# Altium PCB Virtex.PcbDoc (part 2 of 2) (continued)
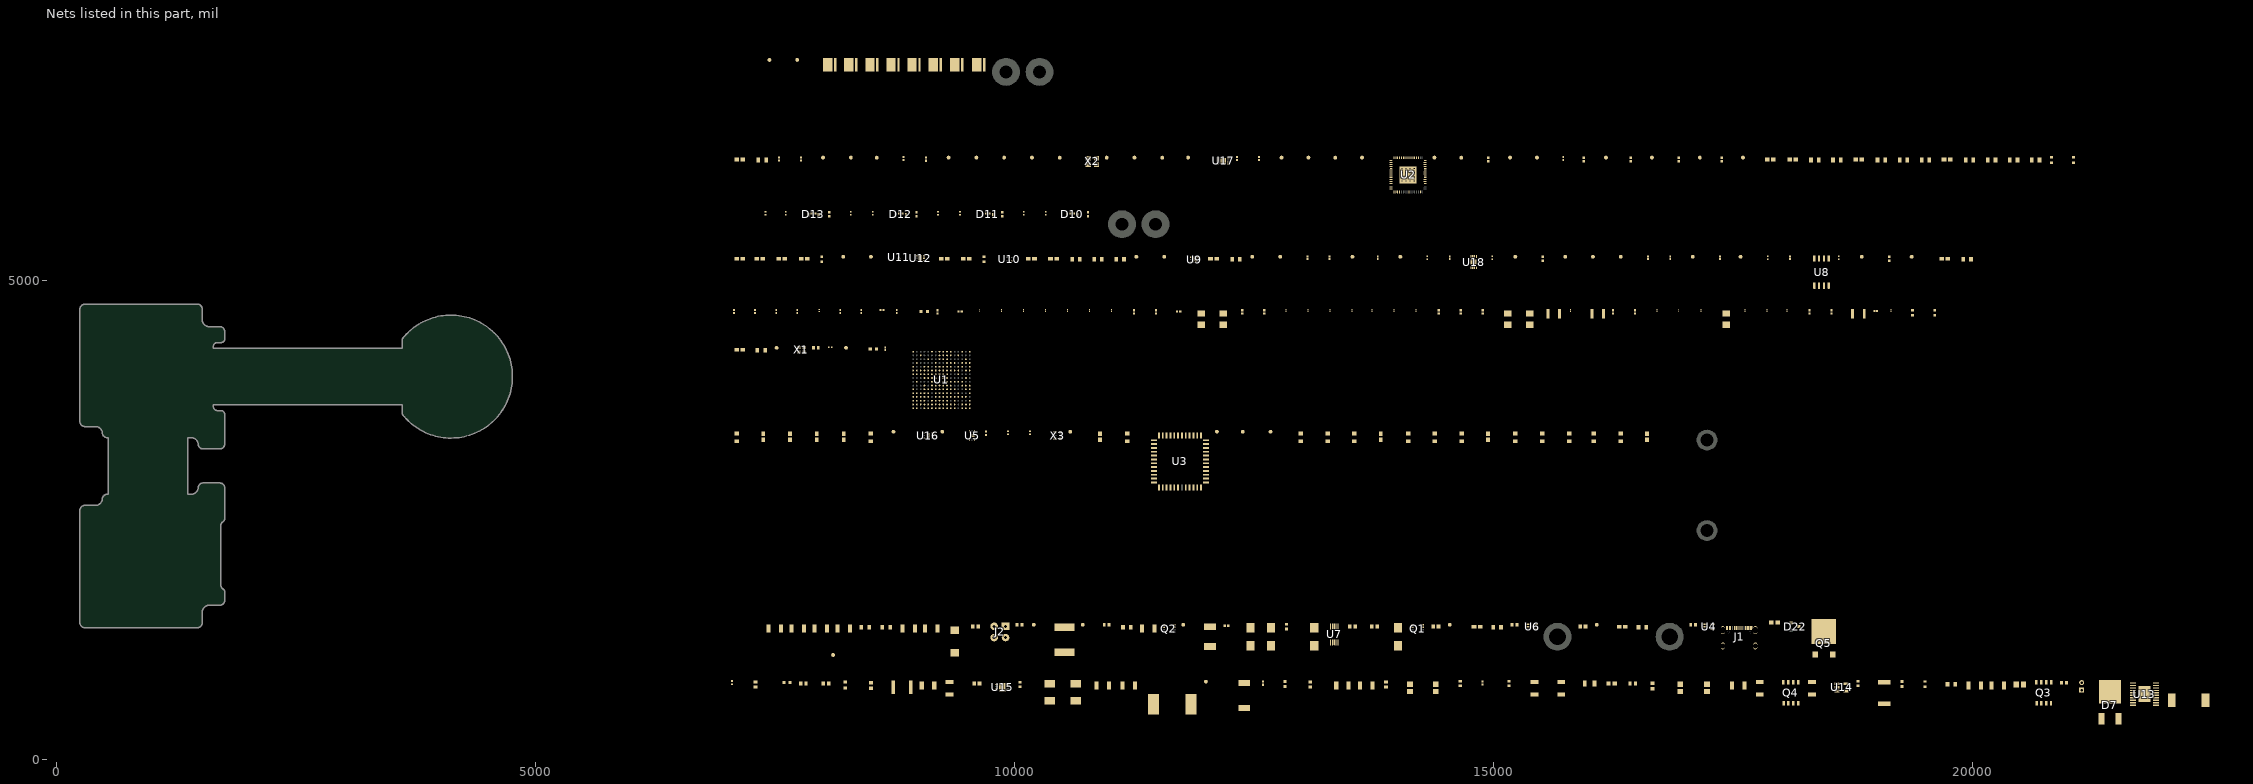
[diagram p2: the nets of this part, all layers, seen from the top]
## Part data (continued)
R11 R12 R13 R14 R15 R16 R27 R34: library part CMP-2002-01154-4, "Chip Resistor, 4.7 KOhm, +/- 1%, 0.1 W, -55 to 155 degC, 0402 (1005 Metric), RoHS, Tape and Reel", Case Code (Imperial)=0402, Case Code (Metric)=1005, Max Operating Temperature="155 degC", Min Operating Temperature="-55 degC", Package Quantity=1, PartNumber=ERJ-2RKF4701X, Power Rating="100 mW", Resistance="4.7 KOhm", Tolerance=1%, Voltage Rating="50 V", Case\/Package=0402, ComponentLink1Description="Manufacturer URL", ComponentLink1URL=http://www.panasonic.com/, ComponentLink2Description=Datasheet, ComponentLink2URL=http://industrial.panasonic.com/cdbs/www-data/pdf/RDA0000/AOA0000C86.pdf, DatasheetVersion=04/2015, Height="0.35 mm", Length="1 mm", Mount="Surface Mount", Mounting Technology="Surface Mount", PackageDescription="2-Pin Surface Mount Device, Body 1 x 0.5 mm", PackageReference=0402, Packaging="Cut Tape", Pins=2, Radiation Hardening=No, REACH SVHC=Yes, RoHSCompliant=true, Width="0.5 mm"
R17 R18 R19 R20: library part CMP-2002-07344-1, Manufacturer="Yageo / Phycomp", Part Number=RC0402FR-07100RL
R21 R23 R24 R26: library part CMP-2000-07588-1, "Chip Resistor, 10 KOhm, +/- 1%, 0.1 W, -55 to 155 degC, 0402 (1005 Metric), RoHS, Tape and Reel", Case Code (Imperial)=0402, Case Code (Metric)=1005, Manufacturer=Panasonic, Max Operating Temperature=155degC, Max Power Dissipation=100mW, Min Operating Temperature=-55degC, Package Description="2-Pin Surface Mount Device, Body 1 x 0.5 mm", Package Quantity=1, Package Reference=402, Resistance=10KOhm, Temperature Coefficient=100ppm\/degreesC, Tolerance=1%, Voltage Rating=50V, Case\/Package=0402, Composition=ThickFilm, Contact Plating=Tin, Datasheet URL=https://industrial.panasonic.com/cdbs/www-data/pdf/RDA0000/AOA0000C304.pdf, Datasheet Version=02/2017, Depth=0.5mm, Height=0.35mm, Lead Free=LeadFree, Length=1mm, Manufacturer URL=http://www.panasonic.com/, Military Standard=Not, Mount=SurfaceMount, Mounting Technology=SurfaceMount, Number of Pins=2, Number of Terminations=2, Packaging=TapeandReel, Power Rating=100mW, Radiation Hardening=No, REACH SVHC=NoSVHC, RoHSCompliant=True, Termination=SMD/SMT, Voltage Rating (DC)=50V, Width=0.02inch
R22: library part CMP-2002-00646-4, "Chip Resistor, 12 KOhm, +/- 1%, 0.1 W, -55 to 155 degC, 0402 (1005 Metric), RoHS, Tape and Reel", Case Code (Imperial)=0402, Case Code (Metric)=1005, Max Operating Temperature="155 degC", Min Operating Temperature="-55 degC", Package Quantity=10000, PartNumber=ERJ-2RKF1202X, Power Rating="100 mW", Resistance="12 KOhm", Tolerance=1%, Voltage Rating="50 V", Case\/Package=0402, ComponentLink1Description="Manufacturer URL", ComponentLink1URL=http://www.panasonic.com/, ComponentLink2Description=Datasheet, ComponentLink2URL=http://industrial.panasonic.com/cdbs/www-data/pdf/RDA0000/AOA0000C86.pdf, DatasheetVersion=04/2015, Height="0.35 mm", Length="1 mm", Mount="Surface Mount", Mounting Technology="Surface Mount", PackageDescription="2-Pin Surface Mount Device, Body 1 x 0.5 mm", PackageReference=0402, Packaging="Tape and Reel", Pins=2, REACH SVHC=Yes, RoHSCompliant=true, Width="0.5 mm"
R25: library part CMP-2002-07567-1, Manufacturer="Yageo / Phycomp", Part Number=RC0402FR-072K2L
R28 R30 R35 R37: library part CMP-2002-01128-1, Manufacturer=Panasonic, Part Number=ERJ2RKF1801X
R29 R31 R32 R33 R36 R38 R39 R40: library part CMP-2004-03565-1, Manufacturer="TE Connectivity / AMP", Part Number=CRG0201F100R
R41: library part CMP-2000-00476-1, Manufacturer=Panasonic, Part Number=ERJ3EKF3902V
R43: library part CMP-26527-002019-1, "Res Thick Film 2512 40mΩ 1% 2W ±200ppm/°C Molded SMD Plastic T/R", Case Code (Imperial)=2512, Case Code (Metric)=6432, Max Operating Temperature=155°C, Max Power Dissipation=2W, Min Operating Temperature=-55°C, Resistance=40mR, Resistor Type="Thick Film", Temperature Coefficient=200ppm/°C, Tolerance=1%, Case/Package=2512, Height=0.028inch, Lead Free="Lead Free", Length=0.25inch, Mount="Surface Mount", Number of Terminations=2, Packaging="Tape and Reel", RoHS Compliant=Yes, Series=CSRN, Width=0.124inch
R44: library part CMP-2000-00659-1, Manufacturer=Panasonic, Part Number=ERJ-3EKF8251V
R45: library part CMP-2000-00413-1, Manufacturer=Panasonic, Part Number=ERJ-3EKF3002V
R46: library part CMP-2000-00216-2, "Chip Resistor, 120 KOhm, +/- 1%, 0.1 W, -55 to 155 degC, 0603 (1608 Metric), RoHS, Tape and Reel", Case Code (Imperial)=0603, Case Code (Metric)=1608, Manufacturer=Panasonic, Max Operating Temperature=155degC, Max Power Dissipation=100mW, Min Operating Temperature=-55degC, Package Description="2-Pin Surface Mount Device, Body 1.6 x 0.85 mm", Package Quantity=1, Resistance=120KOhm, Temperature Coefficient=100ppm/degC, Tolerance=1%, Voltage Rating=75V, Case/Package=0603, Composition=ThickFilm, Contact Plating=Tin, Datasheet URL=https://industrial.panasonic.com/cdbs/www-data/pdf/RDA0000/AOA0000C283.pdf, Datasheet Version=42095.0, Depth=0.8mm, Height=0.022inch, Lead Free=LeadFree, Length=1.6mm, Manufacturer URL=http://www.panasonic.com/, Military Standard=Not, Mount=SurfaceMount, Number of Pins=2, Number of Terminations=2, Package Reference=0603, Package URL=http://www.st.com/st-web-ui/static/active/en/resource/technical/document/datasheet/CD00001320.pdf, Packaging=TapeandReel, Power Rating=100mW, Radiation Hardening=No, REACH SVHC=NoSVHC, RoHSCompliant=True, Termination=SMD/SMT, Voltage Rating (DC)=75V, Width=0.8mm
R47: library part CMP-26527-001750-1, "General Purpose Thick Film Chip Resistor, 1206, 0.1Ω, 1%, 100ppm/°C, 0.5W", Case Code (Imperial)=1206, Case Code (Metric)=3216, Max Operating Temperature=155°C, Max Power Dissipation=500mW, Min Operating Temperature=-55°C, Package Quantity=1, Resistance=100mR, Resistor Type="Thick Film", Temperature Coefficient=100ppm/°C, Tolerance=1%, Case/Package=1206, Construction=Rectangular, Contact Plating=Tin, Depth=1.55mm, Height=0.026inch, Lead Free="Lead Free", Length=0.12inch, Military Standard=Not, Mount="Surface Mount", Number of Terminations=2, Packaging="Tape and Reel", Radiation Hardening=No, RoHS Compliant=Yes, Series=CSR, Width=0.061inch
R48 R49: library part CMP-2000-00199-1, Manufacturer=Panasonic, Part Number=ERJ-3EKF1102V
R50: library part CMP-2000-00534-1, Manufacturer=Panasonic, Part Number=ERJ-3EKF4990V
R51: library part CMP-2002-07753-1, Manufacturer="Yageo / Phycomp", Part Number=RC0402FR-075K1L
R52: library part CMP-2000-00881-1, Manufacturer=Panasonic, Part Number=ERA-3AEB111V
R53: library part CMP-1012-00586-3, "Precision Thick Film Chip Resistor, 4.7 KOhm, +/- 1%, -55 to 155 degC, 0603 (1608 Metric), RoHS, Tape and Reel", Case Code (Imperial)=1206, Case Code (Metric)=3216, Case\Package=1205, Max Operating Temperature="125 degC", Min Operating Temperature="-55 degC", Package Quantity=1, Power Rating="250 mW", Resistance="220 Ohm", Tolerance=5%, Type (Resistor)="Thick Film", Voltage Rating="50 V", ComponentLink1Description="Manufacturer URL", ComponentLink1URL=http://www.panasonic.com/, ComponentLink2Description=Datasheet, ComponentLink2URL=http://industrial.panasonic.com/cdbs/www-data/pdf/RDA0000/AOA0000C86.pdf, DatasheetVersion=Apr-15, Elements=4, Height="0.024 inch", Length="0.126 inch", Mount="Surface Mount", PackageDescription="2-Pin Surface Mount Device, Body 1.6 x 0.85 mm", PackageReference=0603, Packaging="Tape and Reel", Pins=8, Radiation Hardening=No, REACH SVHC="No SVHC", RoHSCompliant=true, Width="0.063 inch"
R54: library part CMP-2000-03405-1, Manufacturer="Vishay Dale", Part Number=CRCW06034K30FKEA
R55: library part CMP-2000-00188-1, Manufacturer=Panasonic, Part Number=ERJ-3EKF1051V
R57: library part CMP-2002-00919-1, Manufacturer=Panasonic, Part Number=ERJ-2RKF4022X
R59: library part CMP-2002-01155-1, Manufacturer=Panasonic, Part Number=ERJ2RKF4702X
R60 R63 R66 R69: library part CMP-2002-01170-1, Manufacturer=Panasonic, Part Number=ERJ2RKF68R0X
R61 R62 R64 R65 R67 R68 R70 R71: library part CMP-1011-00302-2, Manufacturer=Panasonic, Part Number=ERJ-2RKF15R0X
R72: library part CMP-1012-00701-2, Manufacturer=Panasonic, Part Number=ERJ-3EKF4872V
R73: library part CMP-2000-00332-1, Manufacturer=Panasonic, Part Number=ERJ-3EKF2152V
R74: library part CMP-2000-00248-1, Manufacturer=Panasonic, Part Number=ERJ-3EKF1403V
R75: library part CMP-2000-00247-1, Manufacturer=Panasonic, Part Number=ERJ-3EKF1402V
R76: library part CMP-1010-00416-2, Manufacturer=Panasonic, Part Number=ERJ1GNF1001C
R77: library part CMP-2000-00523-2, "Chip Resistor, 47 KOhm, +/- 1%, 0.1 W, -55 to 155 degC, 0603 (1608 Metric), RoHS, Tape and Reel", Case Code (Imperial)=0603, Case Code (Metric)=1608, Colour=Red, Forward Current="20 mA", Forward Voltage="2.1 V", Max Operating Temperature="100 degC", Min Operating Temperature="-40 degC", Package Quantity=3000, Power Rating="90 mW", Case\Package=0603, ComponentLink1Description="Manufacturer URL", ComponentLink1URL=http://www.panasonic.com/, ComponentLink2Description=Datasheet, ComponentLink2URL=http://industrial.panasonic.com/cdbs/www-data/pdf/RDA0000/AOA0000C86.pdf, DatasheetVersion=Apr-15, Height="0.6 mm", Illumination Colour=Red, Length="1.6 mm", Lens Style=Clear, Luminous Intensity="63 mcd", Mount="Surface Mount", Nominal Vf="2.1 V", Nominal Wavelength="639 nm", PackageDescription="2-Pin Surface Mount Device, Body 1.6 x 0.85 mm", PackageReference=0603, Packaging="Tape and Reel", Pins=2, Radiation Hardening=No, REACH SVHC="No SVHC", RoHSCompliant=true, Viewing Angle="160 degrees", Width="0.8 mm"
TP1 TP2 TP3 TP4 TP5 TP6 TP7 TP8 TP9 TP10 TP11 TP12 TP13 TP14 TP15 TP16 TP17 TP18 TP19 TP20 TP21 TP22 TP23 TP24 TP25 TP26 TP27 TP28 TP29 TP30 TP31 TP32 TP33 TP34 TP35 TP36 TP37 TP38 TP39 TP40 TP41 TP42 TP43 TP44 TP45 TP46 TP47 TP48 TP49 TP50 TP51 TP52 TP53 TP54 TP55 TP56 TP57: library part TestPoint1mm, "Test Point 1mm Diameter"
U1: library part CMP-0383-00028-1, "Artix-7 FPGA, 170 User I/Os, 0 GTP, 256-Ball BGA, Speed Grade 1, Commercial Grade, Pb-Free", Manufacturer=Xilinx, Operating Temperature Range=Commercial, Available User I/O=170, CMTs=5, ComponentLink1Description="Manufacturer URL", ComponentLink1URL=http://www.xilinx.com/, ComponentLink2Description=Datasheet, ComponentLink2URL=http://www.xilinx.com/support/documentation/data_sheets/ds180_7Series_Overview.pdf, ComponentLink3Description=Pinout, ComponentLink3URL=http://www.xilinx.com/support/documentation/user_guides/ug475_7Series_Pkg_Pinout.pdf, ComponentLink4Description="Package Specification", ComponentLink4URL=http://www.xilinx.com/support/documentation/user_guides/ug475_7Series_Pkg_Pinout.pdf, DatasheetVersion="Rev. 1.15", GTP=0, Logic Cells=33280, Maximum Distributed RAM="400 Kb", Mounting Technology="Surface Mount", PackageDescription="256-Ball Wire-Bond Fine-Pitch Thin BGA, Body 17 x 17 mm, Pitch 1 mm", PackageReference=FTG-256, PackageVersion="Rev. 1.11", PartNumber=XC7A35T-1FTG256C, Speed Grades=1, Total Block RAM="1800 Kb"
U2: library part CMP-0078-00003-3, "Dual High Speed USB To Multipurpose UART/FIFO IC, 64-pin QFN, Tray", Manufacturer=FTDI, ComponentLink1Description="Manufacturer URL", ComponentLink1URL=http://www.ftdichip.com/, ComponentLink2Description=Datasheet, ComponentLink2URL=http://www.ftdichip.com/Support/Documents/DataSheets/ICs/DS_FT2232H.pdf, DatasheetVersion="ver 2.21, Jun-2012", PackageDescription="64-Pin Quad Flat No-Lead, 9 x 9 mm Body, 0.5 mm Pitch, 4.35 x 4.35 mm Exposed Pad", PackageReference=QFN64_2, PackageVersion=Jun-12, PartNumber=FT2232HQ-Tray, RevisionNote="DatasheetVersion updated to 2.21 Jun-2012"
U3: "IC IMAGE SENSOR 0.3MP 48LCC", Case/Package=LCC, Manufacturer="ON Semiconductor", Max Operating Temperature=85°C, Min Operating Temperature=-40°C, Operating Supply Voltage=3.4V, Category=Optoelectronics, ComponentLink1Description=http://www.onsemi.com/pub_link/Collateral/PB_NOIP1SN1300A-D.PDF?src-supplier=Digi-Key, ComponentLink1URL=http://www.onsemi.com/pub_link/Collateral/PB_NOIP1SN1300A-D.PDF?src-supplier=Digi-Key, ComponentLink2Description=http://www.onsemi.com/pub_link/Collateral/NOIP1SN1300A-D.PDF?src-supplier=Avnet+Asia, ComponentLink2URL=http://www.onsemi.com/pub_link/Collateral/NOIP1SN1300A-D.PDF?src-supplier=Avnet+Asia, Lead Free="Lead Free", Manufacturer Part Number=NOIP1FN0300A-QDI, Mount="Surface Mount", Number of Pins=48, Pricing 1="6=58.23675, 8=57.37875, 20=56.62800, 30=55.87725, 60=55.12650, 300=53.83950, 600=53.41050 (USD)", RoHS=Yes, RoHS Compliant=Yes, Supplier 1=Avnet, Supplier Part Number 1=NOIP1FN0300A-QDI
U5: "TEXAS INSTRUMENTS         LP5900SD-1.8/NOPB.             LDO VOLTAGE REGULATOR, 3.3V, 150mA, LLP-6, FULL REEL", Dropout Voltage=150mV, Manufacturer="Texas Instruments", Max Input Voltage=5.5V, Max Operating Temperature=125°C, Max Output Current=150mA, Min Input Voltage=2.5V, Min Operating Temperature=-40°C, Nominal Output Voltage=1.8V, Output Voltage Accuracy=2%, Package Quantity=1000, Quiescent Current=50uA, Supplier Part Number 1=LP5900SD-1.8/NOPBCT-ND, Accuracy=2%, Category="Voltage Regulators - Linear", ComponentLink1Description=https://datasheet.ciiva.com/6598/lp5900-6598182.pdf?src-supplier=Digi-Key, ComponentLink1URL=https://datasheet.ciiva.com/6598/lp5900-6598182.pdf?src-supplier=Digi-Key, ComponentLink2Description=https://datasheet.ciiva.com/6598/lp5900-6598185.pdf?src-supplier=Digi-Key, ComponentLink2URL=https://datasheet.ciiva.com/6598/lp5900-6598185.pdf?src-supplier=Digi-Key, ComponentLink3Description=https://datasheet.ciiva.com/6598/lp5900-6598187.pdf?src-supplier=Digi-Key, ComponentLink3URL=https://datasheet.ciiva.com/6598/lp5900-6598187.pdf?src-supplier=Digi-Key, ComponentLink4Description=https://datasheet.ciiva.com/26175/lp5900-26175289.pdf?src-supplier=Avnet+Europe, ComponentLink4URL=https://datasheet.ciiva.com/26175/lp5900-26175289.pdf?src-supplier=Avnet+Europe, ComponentLink5Description=https://datasheet.ciiva.com/14278/lp5900-14278125.pdf?src-supplier=Avnet, ComponentLink5URL=https://datasheet.ciiva.com/14278/lp5900-14278125.pdf?src-supplier=Avnet, ComponentLink6Description=https://datasheet.ciiva.com/28643/1772310-28643116.pdf?src-supplier=Element14, ComponentLink6URL=https://datasheet.ciiva.com/28643/1772310-28643116.pdf?src-supplier=Element14, ComponentLink7Description=https://datasheet.ciiva.com/22678/1772310-22678013.pdf?src-supplier=Element14, ComponentLink7URL=https://datasheet.ciiva.com/22678/1772310-22678013.pdf?src-supplier=Element14, Height=0.8mm, Lead Free="Lead Free", Length=2.2mm, Manufacturer Part Number=LP5900SD-1.8/NOPB, Mount="Surface Mount", Number of Outputs=1, Number of Pins=6, Output Current=150mA, Output Type=Fixed, Output Voltage=1.8V, Packaging="Tape and Reel", Polarity=Positive, Pricing 1="1=0.87000, 10=0.77000, 25=0.72280, 100=0.59000, 250=0.54800, 500=0.46640 (USD)", Radiation Hardening=No, REACH SVHC="No SVHC", RoHS=Yes, RoHS Compliant=Yes, Stock 1=9836, Supplier 1=Digi-Key, Width=2.5mm
U7: library part CMP-0479-00144-1, "Low Loss Dual PowerPath Controller for Large PFET, 3.6 to 36 V Vin, 10-pin SOP (MS-10), -40 to 85 degC, Pb-Free", Manufacturer="Linear Technology", ComponentLink1Description="Manufacturer URL", ComponentLink1URL=http://www.linear.com/, ComponentLink2Description=Datasheet, ComponentLink2URL=http://cds.linear.com/docs/en/datasheet/4416fa.pdf, ComponentLink3Description="Package Specification", ComponentLink3URL=http://cds.linear.com/docs/en/packaging/05081661_F_MS.pdf, DatasheetVersion="Rev. A", Ideal Diode="Dual, External, P-Channel", Mounting Technology="Surface Mount", PackageDescription="10-Pin Plastic MSOP, Body 3 x 3 mm, Pitch 0.5 mm", PackageReference=MS-10, PackageVersion="Rev. E, 06/2010", PartNumber=LTC4416EMS#PBF, RoHS=TRUE
U8: "IC FLASH 16M SPI 80MHZ 8SOP", Case/Package=SOIC, Frequency=80MHz, Manufacturer=Macronix, Max Operating Temperature=85°C, Min Operating Temperature=-40°C, Supplier Part Number 1=1092-1189-ND, Category=Memory, ComponentLink1Description=http://ckassoc.com/oldsite/pdf/Macronix_Product_Line_Card_July_2017_General%20_070617.pdf?src-supplier=Digi-Key, ComponentLink1URL=http://ckassoc.com/oldsite/pdf/Macronix_Product_Line_Card_July_2017_General%20_070617.pdf?src-supplier=Digi-Key, Interface=SPI,Serial, Lead Free="Lead Free", Manufacturer Part Number=MX25V1635FM2I, Memory Type=FLASH,NOR, Packaging=Rail/Tube, Pricing 1="1=0.71000, 10=0.64700, 25=0.63880, 50=0.63480, 100=0.56770, 250=0.56288, 500=0.55456, 1000=0.53472, 5000=0.48704 (USD)", RoHS=Yes, RoHS Compliant=Yes, Stock 1=14366, Supplier 1=Digi-Key
U9: "1-A low-IQ small-size low-dropout (LDO) regulator 6-WSON -40 to 125", Dropout Voltage=120mV, Manufacturer="Texas Instruments", Manufacturer Part Number=LP5910-1.0DRVR, Max Input Voltage=5.5V, Max Operating Temperature=125°C, Max Supply Current=40uA, Min Operating Temperature=-40°C, Min Output Voltage=1V, Output Current=300mA, Power Supply Rejection Ratio (PSRR)=52dB, Quiescent Current=12uA, Supplier Part Number 1=296-50004-1-ND, Category="Voltage Regulators - Linear", ComponentLink1Description=http://www.ti.com/lit/ds/symlink/lp5910.pdf?src-supplier=Digi-Key, ComponentLink1URL=http://www.ti.com/lit/ds/symlink/lp5910.pdf?src-supplier=Digi-Key, ComponentLink2Description=http://www.ti.com/general/docs/suppproductinfo.tsp?distId=10&amp;gotoUrl=http%3A%2F%2Fwww.ti.com%2Flit%2Fgpn%2Flp5910&src-supplier=Digi-Key, ComponentLink2URL=http://www.ti.com/general/docs/suppproductinfo.tsp?distId=10&amp;gotoUrl=http%3A%2F%2Fwww.ti.com%2Flit%2Fgpn%2Flp5910&src-supplier=Digi-Key, ComponentLink3Description=http://www.ti.com/lit/ds/symlink/tlv757p.pdf?src-supplier=Digi-Key, ComponentLink3URL=http://www.ti.com/lit/ds/symlink/tlv757p.pdf?src-supplier=Digi-Key, Lead Free="Lead Free", Mount="Surface Mount", Number of Regulators=1, Output Configuration=Positive, Output Type=Fixed, Output Voltage=1V, Packaging="Tape and Reel", Pricing 1="1=0.63000, 10=0.53700, 50=0.53700, 100=0.37200, 1000=0.24400, 10000=0.19500 (USD)", Pricing 2="1=0.61000, 10=0.53900, 25=0.50600, 100=0.41300, 250=0.38360, 500=0.32648, 1000=0.26950 (USD)", RoHS=Yes, RoHS Compliant=Yes, Stock 1=2189, Stock 2=1477, Supplier 1=Digi-Key
U10: library part CMP-04916-000026-1, "IC VREF SERIES 0.15% 8UQFN", Max Operating Temperature=125°C, Min Operating Temperature=-40°C, Min Output Voltage=1.25V, Operating Supply Current=8.5uA, Output Current=5mA, Temperature Coefficient=30ppm/°C, Tolerance=0.15%, Mount="Surface Mount", Number of Pins=8, Output Type=Fixed, Packaging="Tape and Reel", Reference Type=Series, RoHS Compliant=Yes
U11: "LDO Regulator Pos 1.2V to 4.5V 0.25A 4-Pin X2SON EP T/R", Manufacturer="Texas Instruments", Supplier Part Number 1=296-LP590725QDQNRQ1CT-ND, Category="Integrated Circuits (ICs)", Manufacturer Part Number=LP590725QDQNRQ1, Pricing 1="1=0.64000, 10=0.56000, 25=0.52560, 100=0.42910, 250=0.39856, 500=0.33920, 1000=0.28000 (USD)", RoHS=Yes, Stock 1=2810, Supplier 1=Digi-Key
U12: "IC REG LINEAR 1.8V 300MA 6SON", Dropout Voltage=145mV, Manufacturer="Texas Instruments", Max Operating Temperature=125°C, Min Operating Temperature=-40°C, Output Current=300mA, Output Voltage=1.8V, Quiescent Current=12uA, Supplier Part Number 1=296-47212-1-ND, Category="Voltage Regulators - Linear", ComponentLink1Description=http://www.ti.com/general/docs/suppproductinfo.tsp?distId=10&amp;gotoUrl=http%3A%2F%2Fwww.ti.com%2Flit%2Fgpn%2Flp5910&src-supplier=Digi-Key, ComponentLink1URL=http://www.ti.com/general/docs/suppproductinfo.tsp?distId=10&amp;gotoUrl=http%3A%2F%2Fwww.ti.com%2Flit%2Fgpn%2Flp5910&src-supplier=Digi-Key, ComponentLink2Description=http://www.ti.com/lit/ds/symlink/lp5910.pdf?src-supplier=Digi-Key, ComponentLink2URL=http://www.ti.com/lit/ds/symlink/lp5910.pdf?src-supplier=Digi-Key, Lead Free="Lead Free", Manufacturer Part Number=LP5910-1.8DRVR, Mount="Surface Mount", Number of Regulators=1, Packaging="Tape and Reel", Pricing 1="1=0.63000, 10=0.53700, 25=0.50080, 100=0.40070, 250=0.37208, 500=0.31482, 1000=0.24327 (USD)", RoHS=Yes, RoHS Compliant=Yes, Stock 1=556, Supplier 1=Digi-Key
U13: "IC LED DRVR HIGH BRIGHT 20-TSSOP", Case/Package=TSSOP, Frequency=1MHz, Manufacturer=Maxim, Manufacturer Part Number=MAX16834AUP+, Max Input Voltage=28V, Max Operating Temperature=125°C, Max Power Dissipation=2.122W, Max Supply Current=6mA, Min Input Voltage=4.75V, Min Operating Temperature=-40°C, Output Current=3A, Package Quantity=74, Supplier Part Number 1=MAX16834AUP+-ND, Category="LED Drivers", ComponentLink1Description=https://datasheet.ciiva.com/1946/max16834-1946936.pdf?src-supplier=Digi-Key, ComponentLink1URL=https://datasheet.ciiva.com/1946/max16834-1946936.pdf?src-supplier=Digi-Key, ComponentLink2Description=https://datasheet.ciiva.com/17300/max16834-17300234.pdf?src-supplier=Avnet+Europe, ComponentLink2URL=https://datasheet.ciiva.com/17300/max16834-17300234.pdf?src-supplier=Avnet+Europe, ComponentLink3Description=https://datasheet.ciiva.com/12277/max16834-97839-12277202.pdf?src-supplier=Mouser, ComponentLink3URL=https://datasheet.ciiva.com/12277/max16834-97839-12277202.pdf?src-supplier=Mouser, ComponentLink4Description=https://datasheet.ciiva.com/3163/max16834-3163925.pdf?src-supplier=Avnet, ComponentLink4URL=https://datasheet.ciiva.com/3163/max16834-3163925.pdf?src-supplier=Avnet, ComponentLink5Description=https://datasheet.ciiva.com/1948/max16834-1948686.pdf?src-supplier=Digi-Key, ComponentLink5URL=https://datasheet.ciiva.com/1948/max16834-1948686.pdf?src-supplier=Digi-Key, Contact Plating=Tin,Matte, Mount="Surface Mount", Number of Outputs=1, Number of Pins=20, Number of Segments=100, Operating Supply Voltage=28V, Packaging=Rail/Tube, Power Dissipation=2.122W, Pricing 1="1=6.28000, 10=5.67600, 25=5.41200, 100=4.69920, 250=4.48800, 500=4.09200, 1000=3.96000 (USD)", Pricing 2="2500=4.44310, 5000=4.38030, 10000=4.31750, 15000=4.25470, 20000=4.19190, 25000=4.12910, 250000=4.06630 (USD)", Radiation Hardening=No, REACH SVHC=Unknown, RoHS=Yes, RoHS Compliant=Yes, Series=-, Stock 1=756, Stock 2=60000, Supplier 1=Digi-Key, Supplier 2=Avnet, Supplier Part Number 2=MAX16834AUP/V+T, Switching Frequency=1MHz, Topology=SEPIC
U14: library part CMP-0062-02036-2, "Micropower 150 mA Low-Noise Ultra Low-Dropout Regulator, 5-pin SOT-23, Pb-Free", Manufacturer="National Semiconductor", PackageTopMarking=L0SA*XTT, PowerWise=N, ComponentLink1Description="LP2985 Datasheet", ComponentLink1URL=http://www.national.com/ds/LP/LP2985.pdf, ComponentLink2Description="LP2985 Web Page", ComponentLink2URL=http://www.national.com/pf/LP/LP2985.html, ComponentLink3Description="MF05A Package Page", ComponentLink3URL=http://www.national.com/packaging/folders/mf05a.html, CompType="LDO IC", DatasheetVersion=Jul-2007, PackageDescription="Molded SOT-23, .115 x .063 x .040 in Body, 5 Lead, .0375 in Pitch", PackageReference=MF05A, PackageVersion="revD, Aug-2008", PinCount=5, RevisionNote="Component URLs added", RoHS=Y
U15: library part CMP-0240-00148-1, "Up to 3 A step down switching regulator, 8-Pin VFQFPN, Tape and Reel", ComponentLink1Description="Manufacturer URL", ComponentLink1URL=http://www.st.com, ComponentLink2Description=Datasheet, ComponentLink2URL=http://www.st.com/internet/com/TECHNICAL_RESOURCES/TECHNICAL_LITERATURE/DATASHEET/CD00208518.pdf, DatasheetVersion=Jun-2009, PackageDescription="8-Pin VFQFPN, 3 x 3 x 1.08 mm Body, 0.5 mm Pitch, Exposed Pad", PackageReference=VFQFPN8, PackageVersion=2009
U16: library part CMP-0062-01367-3, "Ultra Low Noise, 150mA Linear Regulator for RF/Analog Circuits Requires No Bypass Capacitor, 6-pin LLP, Pb-Free", Manufacturer="Texas Instruments", PackageTopMarking=XTT*L16, PowerWise=N, ComponentLink1Description="Datasheet URL", ComponentLink1URL=http://www.ti.com/general/docs/lit/getliterature.tsp?genericPartNumber=LP5900&fileType=pdf, CompType="LDO IC", PackageDescription="LLP, Plastic, Dual, 2.2 x 2.5 x 0.8mm Body, 6 Lead, 0.65mm Pitch, No Pullback", PackageReference=NGF0006A, PinCount=6, RoHS=Y
U17: library part CMP-06313-000080-1, "IC EEPROM 1KBIT SPI 8MINI MAP", Frequency=2MHz, Max Operating Temperature=85°C, Min Operating Temperature=-40°C, Memory Size=1Kb, Memory Type=Non-Volatile, Mount="Surface Mount", Packaging="Tape and Reel", RoHS Compliant=Yes
U18: "EEPROM Memory IC 1Kb (128 x 8, 64 x 16) SPI 8-UDFN (2x3)", Manufacturer=Microchip, Manufacturer Part Number=AT25040B-MAHL-E, Supplier Part Number 1=AT93C46DY6-YH-ECT-ND, RoHS=Yes, Supplier 1=Digi-Key
X1: library part ASTMHTA-100.000MHZ-AJ-E-T, "MEMS OSC XO 100.0000MHZ LVCMOS", Case/Package=SMD/SMT, Frequency=100MHz, Frequency Stability=10ppm, Load Capacitance=15pF, Manufacturer=Abracon, Max Operating Temperature=105°C, Max Supply Current=16mA, Min Operating Temperature=-40°C, Operating Supply Voltage=3.6V, Supplier Part Number 1=535-15297-1-ND, Category=Oscillators, ComponentLink1Description=https://datasheet.ciiva.com/1389/1750124-1389392.pdf?src-supplier=Newark, ComponentLink1URL=https://datasheet.ciiva.com/1389/1750124-1389392.pdf?src-supplier=Newark, ComponentLink2Description=https://datasheet.ciiva.com/866/asdmb-866812.pdf?src-supplier=Digi-Key, ComponentLink2URL=https://datasheet.ciiva.com/866/asdmb-866812.pdf?src-supplier=Digi-Key, ComponentLink3Description=https://datasheet.ciiva.com/866/asdmb-866813.pdf?src-supplier=Digi-Key, ComponentLink3URL=https://datasheet.ciiva.com/866/asdmb-866813.pdf?src-supplier=Digi-Key, ComponentLink4Description=https://datasheet.ciiva.com/866/asdmb-866814.pdf?src-supplier=Digi-Key, ComponentLink4URL=https://datasheet.ciiva.com/866/asdmb-866814.pdf?src-supplier=Digi-Key, ComponentLink5Description=https://datasheet.ciiva.com/3177/asdmb-3177639.pdf?src-supplier=Avnet, ComponentLink5URL=https://datasheet.ciiva.com/3177/asdmb-3177639.pdf?src-supplier=Avnet, Height=0.035inch, Lead Free="Lead Free", Length=0.098inch, Manufacturer Part Number=ASTMHTA-100.000MHZ-AJ-E-T, Mount="Surface Mount", Number of Pins=4, Packaging="Tape and Reel", Pricing 1="1=3.08000, 10=2.93800, 50=2.79080, 100=2.49700, 500=2.35008 (USD)", Radiation Hardening=No, RoHS=Yes, RoHS Compliant=Yes, Series="Pure Silicon™ ASDMB", Stock 1=2824, Supplier 1=Digi-Key, Termination=SMD/SMT, Width=0.079inch
X2: "ABRACON - ABM8G-12.000MHZ-4Y-T3 - CRYSTAL, 12MHZ, 10PF, 3.2 X 2.5MM", Case/Package=CSMD, ESR (Equivalent Series Resistance)=120R, Frequency=12MHz, Frequency Stability=30ppm, Load Capacitance=10pF, Manufacturer=Abracon, Max Operating Temperature=60°C, Min Operating Temperature=-10°C, Operating Frequency="12 MHz", Supplier Part Number 1=535-10901-1-ND, Category=Crystals, ComponentLink1Description=https://datasheet.ciiva.com/15116/getdatasheetpartid-719872-15116768.pdf?src-supplier=Verical, ComponentLink1URL=https://datasheet.ciiva.com/15116/getdatasheetpartid-719872-15116768.pdf?src-supplier=Verical, ComponentLink2Description=https://datasheet.ciiva.com/857/abm8g-857959.pdf?src-supplier=Digi-Key, ComponentLink2URL=https://datasheet.ciiva.com/857/abm8g-857959.pdf?src-supplier=Digi-Key, ComponentLink3Description=https://datasheet.ciiva.com/857/abm8g-857960.pdf?src-supplier=Digi-Key, ComponentLink3URL=https://datasheet.ciiva.com/857/abm8g-857960.pdf?src-supplier=Digi-Key, ComponentLink4Description=https://datasheet.ciiva.com/857/abm8g-857961.pdf?src-supplier=Digi-Key, ComponentLink4URL=https://datasheet.ciiva.com/857/abm8g-857961.pdf?src-supplier=Digi-Key, ComponentLink5Description=https://datasheet.ciiva.com/16216/abm8g-16216655.pdf?src-supplier=Future+Electronics, ComponentLink5URL=https://datasheet.ciiva.com/16216/abm8g-16216655.pdf?src-supplier=Future+Electronics, Depth=2.5mm, Frequency Tolerance=30ppm, Height=0.039inch, Lead Free="Lead Free", Length=3.2mm, Manufacturer Part Number=ABM8G-12.000MHZ-4Y-T3, Mount="Surface Mount", Number of Pins=4, Packaging="Tape and Reel", Pricing 1="1=0.67000, 10=0.59600, 50=0.55720, 100=0.49250, 500=0.46656, 1000=0.38880 (USD)", REACH SVHC="No SVHC", RoHS=Yes, Series=ABM8G, Series Resistance=120R, Stock 1=11481, Supplier 1=Digi-Key, Width=0.098inch
X3: "Mems Oscillator, Low Power, Lvds, -40C-85C, 10Ppm, 2.5X2.0Mm6 Vdfn 2.0X2.5Mm Tube", Manufacturer=Microchip, Supplier Part Number 1=DSC1103DI5-360.0000-ND, Category=Oscillators, Manufacturer Part Number=DSC1103DI5-360.0000, Pricing 1="1=5.51000, 25=4.59000, 100=4.51500 (USD)", RoHS=Yes, RoHS Compliant=Yes, Stock 1=706, Supplier 1=Digi-Key

## Via types
v1: diameter 19.68, hole 7.87, Top Layer to Bottom Layer, 19 vias

## Nets (pads, with @x,y where several pads share a name; then routed paths per layer and width w, separated by ;. In a path a pad name is that pad's centre, name@x,y a point inside that pad or via, vN(x,y) a via of type N, cw(c..) or ccw(c..) an arc to the next point about the centre after c; other vN are vias at no path point)
+1: C25.2 C26.1 C27.1 C28.1 C29.1 C30.1 C31.2 C32.1 C85.1 TP44.1 U1.E10 U1.F7 U1.F9 U1.F11 U1.G6 U1.H9 U1.J6 U1.K9 U1.L8 U9.1
+1.8: C19.2 C20.1 C21.1 C22.1 C23.1 C24.1 C63.1 C64.1 C65.1 C66.1 C94.1 FB3.2 TP47.1 U1.G10 U1.J10 U1.K11 U1.L10 U2.12 U2.37 U2.64 U12.1
+2.5: C49.2 C56.1 C57.1 C58.1 C59.1 C60.1 C61.1 C92.1 TP46.1 U1.A6 U1.B3 U1.D7 U1.E4 U1.F1 U1.J2 U11.1
+3.3: 2.2 C1.1 C2.1 C3.1 C4.1 C16.1 C17.1 C33.1 C34.2 C35.2 C36.1 C37.1 C38.1 C39.1 C40.1 C41.1 C42.1 C43.1 C44.1 C45.1 C46.1 C47.1 C48.2 C50.1 C51.1 C52.1 C53.1 C54.1 C55.1 C67.1 C68.1 C69.1 C70.1 C71.1 C76.1 C77.1 C80.1 C81.1 C82.1 C83.1 C84.1 C86.1 C87.1 C88.1 C89.1 C91.1 C93.1 C115.1 C116.1 C117.1 C118.1 C119.2 C129.1 C130.1 C131.1 C132.1 C133.1 C134.1 C139.1 C140.2 C142.1 C146.2 D9.2 D10.3 D11.3 D12.3 D13.3 FB4.1 FB5.1 FB6.1 R1.2 R3.2 R5.2 R9.1 R11.1 R12.1 R13.2 R14.2 R21.2 R23.2 R24.2 R26.1 R27.2 R28.2 R30.2 R34.2 R35.2 R37.2 R51.1 R53.2 R57.1 R76.2 TP48.1 U1.A16 U1.B13 U1.C10 U1.E14 U1.H15 U1.J12 U1.L6 U1.L16 U1.M3 U1.M13 U1.N10 U1.P7 U1.R4 U1.R14 U1.T1 U1.T11 U2.20 U2.31 U2.42 U2.56 U3.1 U3.19 U3.29 U3.36 U4.1 U5.4 U5.6 U6.1 U8.8 U9.4 U9.6 U11.3 U11.4 U12.4 U12.6 U17.6 U17.8 U18.8 X1.1 X3.6
+3.6: C98.1 C141.1 C144.1 U14.5 U16.4 U16.6
+12: C7.2 C10.1 C11.1 C12.1 C13.1 C104.2 C108.2 C110.2 C111.1 C112.1 F2.2 L1.1 Q1.7 Q1.8 R41.2 R47.2 R48.1 R72.1 TP5.1 U7.9 U13.1 U13.17
AGND: C?.2 FB2.2 U1.G7 U1.H8 U1.J7
CABLE_SCL: J2.1 U6.5
CABLE_SDA: J2.2 U4.5
CAM_18: C125.1 C126.1 C127.1 C128.1 C143.1 TP53.1 U3.6 U3.22 U3.26 U5.1
CAM_CLK_N: U1.E5 U3.7
CAM_CLK_P: U1.F5 U3.8
CAM_CLKIN_N: R58.2 U3.23 X3.5
CAM_CLKIN_P: R58.1 U3.24 X3.4
CAM_DOUT0_N: U1.H4 U3.9
CAM_DOUT0_P: U1.H5 U3.10
CAM_DOUT1_N: U1.G1 U3.11
CAM_DOUT1_P: U1.G2 U3.12
CAM_DOUT2_N: U1.G4 U3.13
CAM_DOUT2_P: U1.G5 U3.14
CAM_DOUT3_N: U1.E1 U3.15
CAM_DOUT3_P: U1.F2 U3.16
CAM_MON0: U1.D16 U3.44
CAM_MON1: U1.F12 U3.45
CAM_PIX: C135.1 C136.1 C137.1 C138.1 C145.1 TP54.1 U3.31 U3.33 U3.38 U3.40 U16.1
CAM_RESET: U1.D15 U3.46
CAM_SPI_CLK: TP51.1 U1.E13 U3.4
CAM_SPI_CS: TP52.1 U1.E11 U3.47
CAM_SPI_MISO: TP50.1 U1.D14 U3.3
CAM_SPI_MOSI: TP49.1 U1.D11 U3.2
CAM_SYNC_N: U1.F3 U3.17
CAM_SYNC_P: U1.F4 U3.18
CAM_TRIG0: U1.E16 U3.41
CAM_TRIG1: U1.F13 U3.42
CAM_TRIG2: U1.F15 U3.43
CONF_CLK: TP41.1 U1.N13 U18.6
CONF_CS: R34.1 TP38.1 U1.P16 U18.1
CONF_HOLD: R36.2 TP39.1 U1.T14
CONF_MISO: R38.1 TP40.1 U1.R15
CONF_MOSI: R40.2 TP43.1 U1.T15
CONF_WP: R39.1 TP42.1 U1.R16
DONE: D6.2 R9.2 U1.H10
FLASH_CLK: TP35.1 U1.E8 U8.6
FLASH_CS: R27.1 TP32.1 U1.L12 U8.1
FLASH_SIO0: R33.2 TP37.1 U1.J13
FLASH_SIO1: R31.1 TP34.1 U1.J14
FLASH_SIO2: R32.1 TP36.1 U1.K15
FLASH_SIO3: R29.2 TP33.1 U1.K16
FPGA_CLK: TP7.1 U1.N14 X1.3
GND: C1.2 C2.2 C3.2 C4.2 C5.2 C6.2 C7.1 C8.2 C9.2 C10.2 C11.2 C12.2 C13.2 C14.2 C15.2 C16.2 C17.2 C18.1 C19.1 C20.2 C21.2 C22.2 C23.2 C24.2 C25.1 C26.2 C27.2 C28.2 C29.2 C30.2 C31.1 C32.2 C33.2 C34.1 C35.1 C36.2 C37.2 C38.2 C39.2 C40.2 C41.2 C42.2 C43.2 C44.2 C45.2 C46.2 C47.2 C48.1 C49.1 C50.2 C51.2 C52.2 C53.2 C54.2 C55.2 C56.2 C57.2 C58.2 C59.2 C60.2 C61.2 C63.2 C64.2 C65.2 C66.2 C67.2 C68.2 C69.2 C70.2 C71.2 C72.2 C73.2 C74.2 C75.2 C76.2 C77.2 C78.2 C79.2 C80.2 C81.2 C82.2 C83.2 C84.2 C85.2 C86.2 C87.2 C88.2 C89.2 C91.2 C92.2 C93.2 C94.2 C95.1 C96.2 C97.2 C98.2 C99.1 C100.1 C101.2 C102.2 C103.1 C105.2 C106.2 C107.2 C109.2 C111.2 C112.2 C113.1 C114.2 C115.2 C116.2 C117.2 C118.2 C120.2 C121.2 C122.2 C125.2 C126.2 C127.2 C128.2 C129.2 C130.2 C131.2 C132.2 C133.2 C134.2 C135.2 C136.2 C137.2 C138.2 C139.2 C140.1 C141.2 C142.2 C143.2 C144.2 C145.2 C146.1 D1.2 D2.2 D3.2 D4.2 D8.2 FB2.1 FB7.1 J1.A1-B12 J1.B1-A12 J2.4 R2.2 R4.2 R7.2 R8.2 R10.2 R15.2 R16.2 R22.1 R42.1 R43.2 R44.1 R49.2 R55.1 R56.2 R59.1 R73.1 R75.1 R77.1 U1.A1 U1.A11 U1.B8 U1.C5 U1.C15 U1.D2 U1.D12 U1.E9 U1.F6 U1.F8 U1.F10 U1.F16 U1.G3 U1.G9 U1.G13 U1.H6 U1.J9 U1.J11 U1.K4 U1.K6 U1.K7 U1.K8 U1.K14 U1.L1 U1.L11 U1.M8 U1.N5 U1.N15 U1.P2 U1.P12 U1.R9 U1.T6 U1.T16 U2.1 U2.5 U2.10 U2.11 U2.13 U2.15 U2.25 U2.35 U2.47 U2.51 U2.65 U3.5 U3.20 U3.21 U3.27 U3.30 U3.32 U3.34 U3.35 U3.37 U3.39 U3.48 U4.2 U5.3 U5.7 U6.2 U7.3 U7.4 U8.4 U9.3 U9.7 U11.2 U11.5 U12.5 U12.7 U13.4 U13.14 U13.21 U14.2 U15.3 U15.7 U15.9 U16.3 U16.7 U17.5 U17.9 U18.4 U18.9 X1.2 X1.4 X2.2 X2.4 X3.3
  other v1: 9870,734.57 9870,777.87 9095,3385 14040.04,6040.04 14083.35,6040.04 14126.65,6040.04 14169.96,6040.04 14040.04,6083.35 14083.35,6083.35 14126.65,6083.35 14169.96,6083.35 14040.04,6126.65 14083.35,6126.65 14126.65,6126.65 14169.96,6126.65 14040.04,6169.96 14083.35,6169.96 14126.65,6169.96 14169.96,6169.96
LED+: C101.1 C102.1 C106.1 C107.1 D7.4 D14.A J3.1 R46.2 TP55.1 U13.18
LED-: D21.C J3.2 Q4.5 Q4.6 Q4.7 Q4.8 TP56.1
LED_USER: D5.2 U1.M16
MNT: J1.1 J1.2 J1.3 J1.4
MODE_0: R14.1 U1.M9
MODE_1: R15.1 U1.M10
MODE_2: R16.1 U1.M11
NetC5_1: C5.1 F1.2 FB1.1
NetC18_2: C18.2 C?.1 FB3.1 U1.G8
NetC72_1: C72.1 C75.1 FB5.2 U2.4
NetC73_1: C73.1 C74.1 FB4.2 U2.9
NetC95_2: C95.2 R41.1 R42.2 U13.11
NetC99_2: C99.2 U13.8
NetC100_2: C100.2 U13.16
NetC103_2: C103.2 R45.2 U13.6
NetC104_1: C104.1 Q4.1 Q4.2 Q4.3 R47.1 U13.2
NetC105_1: C105.1 U14.4
NetC108_1: C108.1 R46.1 R48.2 U13.3
NetC109_1: C109.1 R45.1 R49.1 U13.7
NetC110_1: C110.1 U13.19
NetC113_2: C113.2 R50.1 U13.5
NetC114_1: C114.1 R50.2
NetC119_1: C119.1 R52.2
NetC123_1: C123.1 C124.2 U15.4
NetC123_2: C123.2 R52.1 R53.1 R54.2 R55.2 U15.5
NetC124_1: C124.1 R54.1
NetD1_1: D1.1 J2.3 Q5.4
NetD5_1: D5.1 R8.1
NetD6_1: D6.1 R10.1
NetD7_1: D7.1 D7.3 L1.2 Q3.5 Q3.6 Q3.7 Q3.8
NetD8_1: 2.1 D8.1 U15.1
NetD9_1: D9.1 R56.1
NetD10_1: D10.1 R62.1
NetD10_2: D10.2 R61.1
NetD10_4: D10.4 R60.1
NetD11_1: D11.1 R65.1
NetD11_2: D11.2 R64.1
NetD11_4: D11.4 R63.1
NetD12_1: D12.1 R68.1
NetD12_2: D12.2 R67.1
NetD12_4: D12.4 R66.1
NetD13_1: D13.1 R71.1
NetD13_2: D13.2 R70.1
NetD13_4: D13.4 R69.1
NetD14_C: D14.C D15.A
NetD15_C: D15.C D16.A
NetD16_C: D16.C D17.A
NetD17_C: D17.C D18.A
NetD18_C: D18.C D19.A
NetD19_C: D19.C D20.A
NetD20_C: D20.C D21.A
NetD22_1: D22.1 Q5.1 R77.2
NetD22_3: D22.3 F2.1 Q5.3
NetFB6_2: FB6.2 U10.5
NetJ1_A5: J1.A5 R2.1
NetJ1_B5: J1.B5 R4.1
NetQ3_1: Q3.1 Q3.2 Q3.3 R43.1 U13.13
NetQ3_4: Q3.4 U13.15
NetQ4_4: Q4.4 U13.20
NetR1_1: R1.1 TP1.1 U1.N12 U4.4
NetR3_1: R3.1 TP2.1 U1.N11 U6.4
NetR5_1: R5.1 TP4.1
NetR7_1: R7.1 TP6.1 U1.C8 U1.C9 U13.12
NetR11_2: R11.2 U1.E7
NetR12_2: R12.2 U1.L9
NetR13_1: R13.1 U1.K10
NetR17_1: R17.1 U2.16
NetR18_1: R18.1 U2.17
NetR19_1: R19.1 U2.18
NetR20_1: R20.1 U2.19
NetR21_1: R21.1 U2.14
NetR22_2: R22.2 U2.6
NetR23_1: R23.1 U2.63 U17.1
NetR24_1: R24.1 U2.62 U17.2
NetR25_1: R25.1 U2.61 U17.3
NetR25_2: R25.2 R26.2 U17.4
NetR28_1: R28.1 R29.1 U8.7
NetR30_1: R30.1 R32.2 U8.3
NetR31_2: R31.2 U8.2
NetR33_1: R33.1 U8.5
NetR35_1: R35.1 R36.1 U18.7
NetR37_1: R37.1 R39.2 U18.3
NetR38_2: R38.2 U18.2
NetR40_1: R40.1 U18.5
NetR44_2: R44.2 U13.10
NetR51_2: R51.2 U1.D10 U13.9
NetR57_2: R57.2 X3.1
NetR59_2: R59.2 U3.28
NetR60_2: R60.2 U1.M5 U1.P3
NetR61_2: R61.2 U1.P1 U1.P4
NetR62_2: R62.2 U1.N1 U1.N2
NetR63_2: R63.2 U1.A8 U1.A9
NetR64_2: R64.2 U1.A10 U1.B9
NetR65_2: R65.2 U1.B10 U1.B11
NetR66_2: R66.2 U1.T2 U1.T4
NetR67_2: R67.2 U1.R1 U1.R3
NetR68_2: R68.2 U1.N4 U1.R2
NetR69_2: R69.2 U1.M1 U1.N3
NetR70_2: R70.2 U1.M2 U1.M4
NetR71_2: R71.2 U1.L4 U1.L5
NetR72_2: R72.2 R73.2 R74.1 U7.2
NetR74_2: R74.2 U7.1
NetU1_A14: U1.A14 U7.5
PUDC_B: R76.1 U1.L15
PWR_G1: Q1.2 U7.10
PWR_G2: Q2.2 U7.6
USB: C6.1 C8.1 C9.1 D2.1 FB1.2 Q2.7 Q2.8 R6.2 TP3.1 U7.7
USB_BC0: TP20.1 U1.T5 U2.48
USB_BC1: TP21.1 U1.P9 U2.52
USB_BC2: TP23.1 U1.N9 U2.53
USB_BC3: TP24.1 U1.T10 U2.54
USB_BC4: TP25.1 U1.R10 U2.55
USB_BC5: TP26.1 U1.P10 U2.57
USB_BC6: TP27.1 U1.R11 U2.58
USB_BD0: TP12.1 U1.P8 U2.38
USB_BD1: TP13.1 U1.R8 U2.39
USB_BD2: TP14.1 U1.T8 U2.40
USB_BD3: TP15.1 U1.R7 U2.41
USB_BD4: TP16.1 U1.T7 U2.43
USB_BD5: TP17.1 U1.P6 U2.44
USB_BD6: TP18.1 U1.R6 U2.45
USB_BD7: TP19.1 U1.R5 U2.46
USB_N: D4.1 J1.A7 J1.B7 U2.7
USB_OSCI: C78.1 TP22.1 U2.2 X2.1
USB_OSCO: C79.1 TP29.1 U2.3 X2.3
USB_P: D3.1 J1.A6 J1.B6 U2.8
USB_PWREN: TP31.1 U1.R12 U2.60
USB_PWRSAV: R6.1 R75.2 TP28.1 U1.T12 U2.59
USB_SUS: TP30.1 U1.T9 U2.36
USB_TCK: R17.2 TP8.1 U1.L7
USB_TDI: R18.2 TP9.1 U1.N7
USB_TDO: R19.2 TP10.1 U1.N8
USB_TMS: R20.2 TP11.1 U1.M7
USB_VBUS: F1.1 J1.A4-B9 J1.B4-A9
VCC: C14.1 C15.1 C96.1 C97.1 C120.1 C121.1 C122.1 Q1.1 Q2.1 TP57.1 U7.8 U14.1 U14.3 U15.8
VREFN: C62.1 C90.2 FB7.2 U1.H7 U10.4
VREFP: C62.2 C90.1 TP45.1 U1.J8 U10.8
pads on no net: D22.2 J1. J1.A8 J1.B8 M1.1 M2.1 M3.1 M4.1 M5.1 M6.1 M7.1 Q1.3 Q1.4 Q1.5 Q1.6 Q2.3 Q2.4 Q2.5 Q2.6 U1.A2 U1.A3 U1.A4 U1.A5 U1.A7 U1.A12 U1.A13 U1.A15 U1.B1 U1.B2 U1.B4 U1.B5 U1.B6 U1.B7 U1.B12 U1.B14 U1.B15 U1.B16 U1.C1 U1.C2 U1.C3 U1.C4 U1.C6 U1.C7 U1.C11 U1.C12 U1.C13 U1.C14 U1.C16 U1.D1 U1.D3 U1.D4 U1.D5 U1.D6 U1.D8 U1.D9 U1.D13 U1.E2 U1.E3 U1.E6 U1.E12 U1.E15 U1.F14 U1.G11 U1.G12 U1.G14 U1.G15 U1.G16 U1.H1 U1.H2 U1.H3 U1.H11 U1.H12 U1.H13 U1.H14 U1.H16 U1.J1 U1.J3 U1.J4 U1.J5 U1.J15 U1.J16 U1.K1 U1.K2 U1.K3 U1.K5 U1.K12 U1.K13 U1.L2 U1.L3 U1.L13 U1.L14 U1.M6 U1.M12 U1.M14 U1.M15 U1.N6 U1.N16 U1.P5 U1.P11 U1.P13 U1.P14 U1.P15 U1.R13 U1.T3 U1.T13 U2.21 U2.22 U2.23 U2.24 U2.26 U2.27 U2.28 U2.29 U2.30 U2.32 U2.33 U2.34 U2.49 U2.50 U3.25 U4.3 U5. U6.3 U9.2 U9.5 U9.V U10.1 U10.2 U10.3 U10.6 U10.7 U12.2 U12.3 U15.2 U15.6 U16.2 U16.5 U17.7 X3.2

## Silkscreen, mask and mechanical layers (free items; w line width, h text height)
Mechanical 1:
  circle w0.5: c4116.73,4000 r354.33
  lines w0.5: 296.87,4755.62 ccw(c296.88,4703.12) 244.38,4703.12 ; 244.38,3531.25 ccw(c296.88,3531.25) 296.88,3478.75 ; 244.38,3531.25 ccw(c296.88,3531.25) 296.88,3478.75 ; 244.38,3531.25 244.38,4703.12 ; 244.38,3531.25 244.38,4703.12 ; 244.38,4703.12 cw(c296.88,4703.12) 296.88,4755.62 ; 296.88,3478.75 406.25,3478.75 ; 296.88,3478.75 406.25,3478.75 ; 296.88,4755.62 1468.75,4755.62 ; 296.88,4755.62 1468.75,4755.62 ; 406.25,3478.75 cw(c406.25,3406.25) 478.57,3411.32 ; 406.25,3478.75 cw(c406.25,3406.25) 478.57,3411.32 ; 478.57,3411.32 ccw(c530.94,3414.99) 530.94,3362.49 ; 478.57,3411.32 ccw(c530.94,3414.99) 530.94,3362.49 ; 530.94,3362.49 541.25,3362.49 ; 530.94,3362.49 541.25,3362.49 ; 541.25,3362.49 541.25,2771.93 530.94,2771.93 ccw(c530.94,2719.43) 478.57,2723.1 cw(c406.25,2728.17) 406.25,2655.67 296.88,2655.67 ccw(c296.88,2603.17) 244.38,2603.17 244.38,1431.29 ccw(c296.88,1431.29) 296.88,1378.79 1468.75,1378.79 ccw(c1468.75,1431.29) 1521.25,1431.29 1521.25,1540.67 cw(c1593.75,1540.67) 1593.75,1613.17 1703.12,1613.17 ccw(c1703.12,1665.67) 1755.62,1665.67 1755.62,1751.27 ccw(c1716.25,1751.27) 1735.94,1785.36 cw(c1755.62,1819.46) 1716.25,1819.46 1716.25,2449.38 cw(c1755.62,2449.38) 1735.94,2483.48 ccw(c1716.25,2517.57) 1755.62,2517.57 1755.62,2837.54 ccw(c1703.12,2837.54) 1703.12,2890.04 1531.06,2890.04 ccw(c1531.06,2837.54) 1478.64,2840.44 cw(c1406.25,2844.43) 1406.25,2771.93 1368.02,2771.93 1368.02,3362.49 ; 1368.02,3362.49 1406.25,3362.49 ; 1368.02,3362.49 1406.25,3362.49 ; 1406.25,3362.49 cw(c1406.25,3289.99) 1478.64,3293.98 ; 1406.25,3362.49 cw(c1406.25,3289.99) 1478.64,3293.98 ; 1468.75,4755.62 cw(c1468.75,4703.12) 1521.25,4703.12 ; 1468.75,4755.62 cw(c1468.75,4703.12) 1521.25,4703.12 ; 1478.64,3293.98 ccw(c1531.06,3296.88) 1531.06,3244.38 ; 1478.64,3293.98 ccw(c1531.06,3296.88) 1531.06,3244.38 ; 1521.25,4593.75 ccw(c1593.75,4593.75) 1593.75,4521.25 ; 1521.25,4593.75 ccw(c1593.75,4593.75) 1593.75,4521.25 ; 1521.25,4593.75 1521.25,4703.12 ; 1521.25,4593.75 1521.25,4703.12 ; 1531.06,3244.38 1703.12,3244.38 ; 1531.06,3244.38 1703.12,3244.38 ; 1593.75,4521.25 1703.12,4521.25 ; 1593.75,4521.25 1703.12,4521.25 ; 1637.51,3685.04 ccw(c1676.88,3685.04) 1676.88,3645.67 ; 1637.51,3685.04 ccw(c1676.88,3685.04) 1676.88,3645.67 ; 1637.51,3685.04 1637.51,3704.72 ; 1637.51,3685.04 1637.51,3704.72 ; 1637.51,3704.72 3606.02,3704.72 3606.02,3624.93 ccw(c3645.39,3624.93) 3614.58,3600.41 ccw(c4116.73,4000) 3614.58,4399.59 ccw(c3645.39,4375.07) 3606.02,4375.07 3606.02,4295.28 1637.51,4295.28 ; 1637.51,4295.28 1637.51,4314.96 ; 1637.51,4295.28 1637.51,4314.96 ; 1637.51,4314.96 cw(c1676.88,4314.96) 1676.88,4354.33 ; 1637.51,4314.96 cw(c1676.88,4314.96) 1676.88,4354.33 ; 1676.88,3645.67 1716.25,3645.67 ; 1676.88,3645.67 1716.25,3645.67 ; 1676.88,4354.33 1716.25,4354.33 ; 1676.88,4354.33 1716.25,4354.33 ; 1703.12,3244.38 ccw(c1703.12,3296.88) 1755.62,3296.88 ; 1703.12,3244.38 ccw(c1703.12,3296.88) 1755.62,3296.88 ; 1703.12,4521.25 cw(c1703.12,4468.75) 1755.62,4468.75 ; 1703.12,4521.25 cw(c1703.12,4468.75) 1755.62,4468.75 ; 1716.25,3645.67 cw(c1716.25,3606.3) 1755.62,3606.3 ; 1716.25,3645.67 cw(c1716.25,3606.3) 1755.62,3606.3 ; 1716.25,4354.33 ccw(c1716.25,4393.7) 1755.62,4393.7 ; 1716.25,4354.33 ccw(c1716.25,4393.7) 1755.62,4393.7 ; 1755.62,3296.88 1755.62,3606.3 ; 1755.62,3296.88 1755.62,3606.3 ; 1755.62,4393.7 1755.62,4468.75 ; 1755.62,4393.7 1755.62,4468.75

## Text inside footprints (layer, text, board x,y; h text height)
J2: Top Overlay "OTHER SIDE" at 9770.22,1445.24 h15.75; Top Overlay "7038890" at 9792.52,1209.02 h15.75; Top Overlay "CABLE ON" at 9784.65,1468.86 h15.75; Top Overlay "BLUE" at 9970.98,1365.19 h15.75 r90; Top Overlay "BLACK" at 9970.98,1239.21 h15.75 r90; Top Overlay "WHITE" at 9734.76,1358.63 h15.75 r90; Top Overlay "BROWN" at 9734.76,1239.21 h15.75 r90; Bottom Overlay "BLUE" at 9955.24,1365.19 h15.75 r270; Bottom Overlay "CABLE ON" at 9905.35,1468.86 h15.75; Bottom Overlay "THIS SIDE" at 9910.6,1445.24 h15.75; Bottom Overlay "BROWN" at 9719.02,1239.21 h15.75 r270; Bottom Overlay "BLACK" at 9955.24,1239.21 h15.75 r270; Bottom Overlay "7038890" at 9897.48,1209.02 h15.75; Bottom Overlay "WHITE" at 9719.02,1358.63 h15.75 r270
J3: Top Overlay "LED-" at 21194.05,698.62 h15.75 r90; Top Overlay "LED+" at 21194.05,777.36 h15.75 r90
U11: Mechanical 13 "*" at 8769.74,5221.55 h3.94 r90